# KiCad board TRS80_Model_I_Jap20_E1.kicad_pcb (continued)
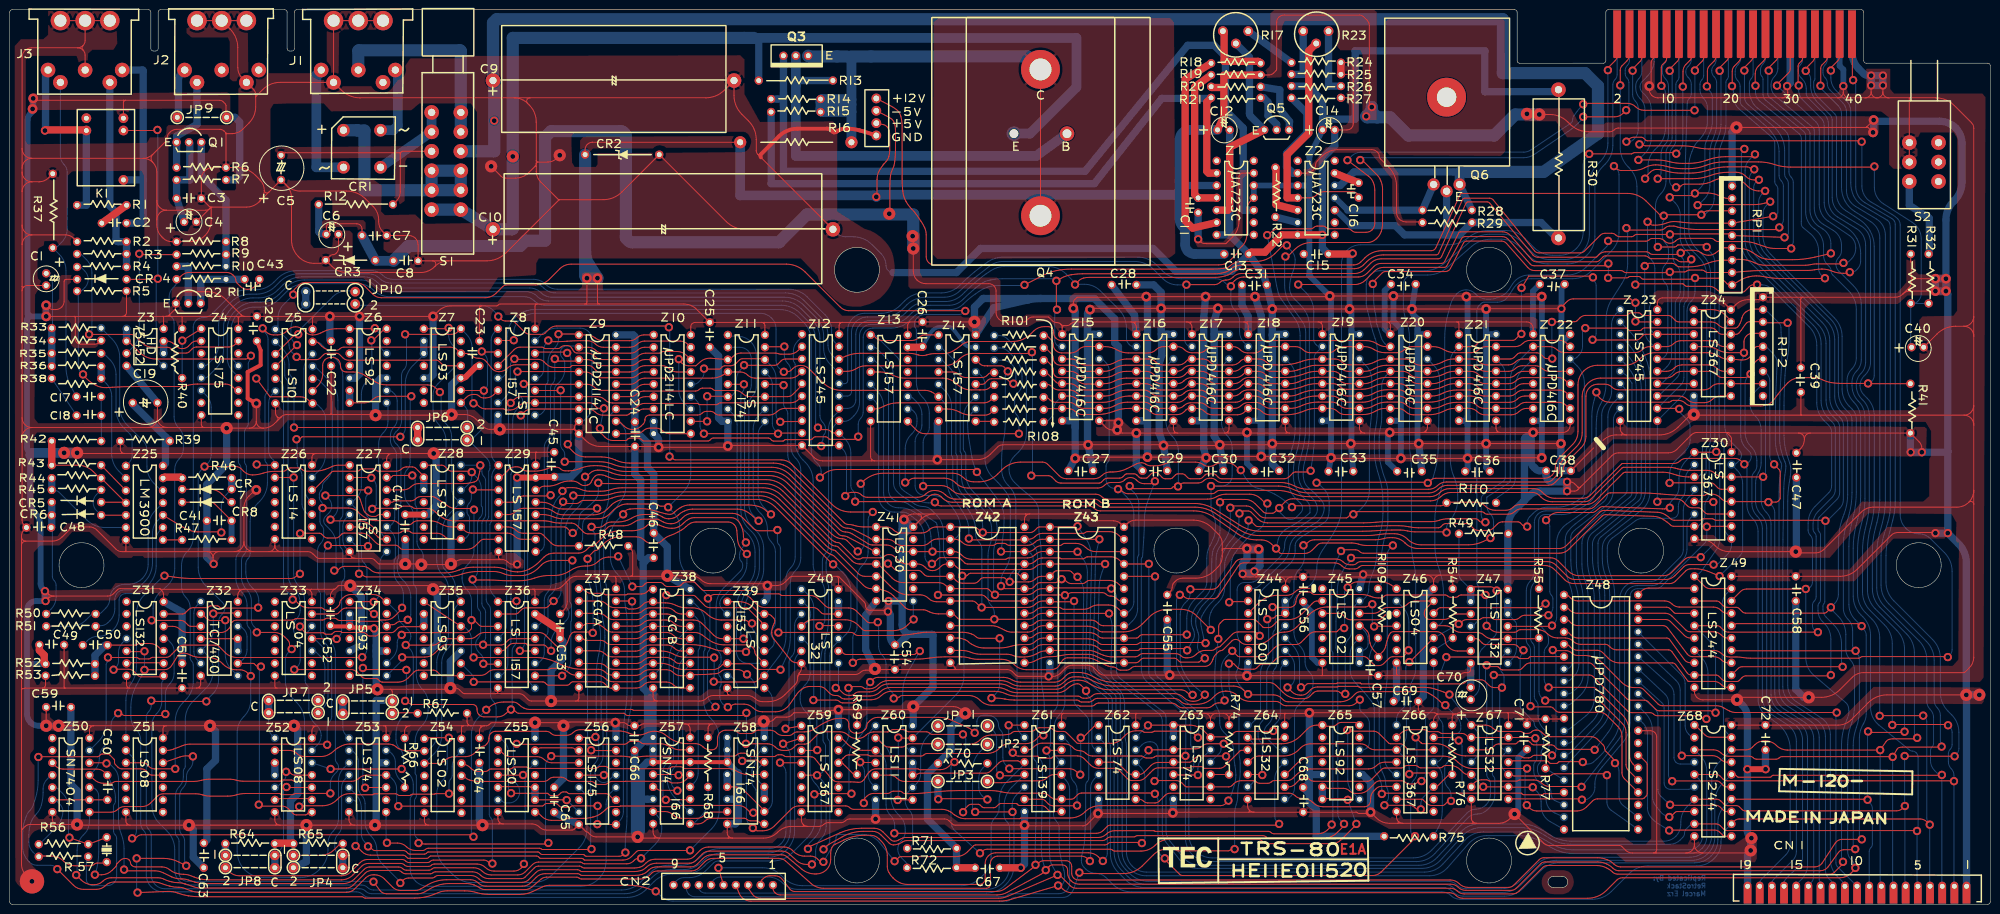
[diagram p0: board, top side]
## Routing (per net, layer and track width the routed paths; a pad name or vN(x,y) marks a point on that pad's centre or on a via; arc(x,y) is an arc through that point) (continued)
  Bottom w0.2: v2(65.23,32.81) 65.23,36.39 arc(65.35,37) 65.7,37.52 arc(66.04,38.04) 66.16,38.66 66.16,50.73 arc(65.87,52.22) 65.02,53.49 arc(64.18,54.75) 63.88,56.25 63.88,63.7 arc(63.8,64.12) 63.56,64.47 arc(63.33,64.82) 63.24,65.24 63.24,72.65 arc(63.41,73.48) 63.88,74.19 arc(64.35,74.89) 64.51,75.72 64.51,76.95 arc(64.41,77.45) 64.13,77.87 arc(63.85,78.29) 63.75,78.79 63.75,80.59 arc(63.82,80.94) 64.02,81.24 v2(64.29,81.5) 64.29,82.08 arc(64.2,82.51) 63.96,82.87 arc(63.71,83.24) 63.62,83.67 63.62,84.28 arc(63.71,84.69) 63.94,85.05 arc(64.18,85.4) 64.26,85.81 64.26,85.93 arc(64.37,86.46) 64.66,86.91 65.28,87.52 arc(66.03,88.65) 66.29,89.97 66.29,102.89 arc(65.9,104.88) 64.77,106.57 63.6,107.74 arc(63.21,108) 62.74,108.1 Z5.10
/Video/Video Access Multiplexer/C5: length 79.5
  Top w0.2: Z28.8 90.82,75.08 arc(90.01,75.24) 89.32,75.7 arc(88.63,76.16) 87.81,76.32 82.97,76.32 arc(82.65,76.38) 82.38,76.56 arc(82.12,76.74) 81.8,76.8 80.99,76.8 arc(80.69,76.74) 80.44,76.57 arc(80.19,76.41) 79.89,76.35 77.13,76.35 arc(76.03,76.56) 75.11,77.18 74.91,77.38 arc(74.23,77.97) 73.45,78.44 arc(72.62,78.75) 71.73,78.86 66.34,78.86 arc(66.18,78.89) 66.04,78.99 v2(65.91,79.11) ; Z29.3 95.3,85.24 arc(95.25,85.25) 95.21,85.27 v2(95.17,85.31)
  Bottom w0.2: Z5.11 62.48,110.64 arc(62.72,110.59) 62.92,110.46 65.84,107.53 arc(67.02,105.77) 67.44,103.68 67.44,81.72 arc(67.24,80.72) 66.67,79.88 v2(65.91,79.11) ; v2(95.17,85.31) 95.02,85.16 arc(94.91,84.99) 94.87,84.79 94.87,83.58 arc(94.75,83) 94.42,82.51 arc(94.09,82.01) 93.98,81.43 93.98,80.64 arc(94.04,80.31) 94.23,80.03 arc(94.42,79.75) 94.49,79.42 94.49,76.81 arc(94.35,76.15) 93.98,75.58 93.74,75.35 arc(93.44,75.15) 93.09,75.08 Z28.8
/Video/Video Access Multiplexer/R0: length 394.8
  Top w0.2: Z34.12 77.63,57.33 arc(77.82,57.46) 78.03,57.5 78.63,57.5 arc(79.06,57.59) 79.42,57.83 arc(79.79,58.07) 80.22,58.16 81.18,58.16 arc(81.41,58.21) 81.61,58.34 v2(81.79,58.52) ; Z7.14 92.13,117.81 arc(91.5,117.38) 90.74,117.23 81.27,117.23 arc(81.26,117.23) 81.26,117.24 v2(81.25,117.24) ; v2(95.3,103.04) 95.55,103.04 arc(95.79,102.99) 95.99,102.86 96.38,102.47 arc(97.01,102.05) 97.76,101.9 101.46,101.9 arc(101.61,101.87) 101.74,101.78 arc(101.86,101.7) 102.01,101.67 102.8,101.67 arc(103.68,101.84) 104.43,102.34 104.49,102.41 arc(105.31,102.95) 106.27,103.14 Z8.10 119.18,103.14 arc(119.64,103.05) 120.04,102.79 120.61,102.22 arc(120.85,102.06) 121.13,102 v2(122.1,102) ; v2(208.53,127.4) 212.41,129.39 arc(213.77,129.97) 215.2,130.36 arc(216.67,130.58) 218.15,130.65 247.39,130.65 arc(248.41,130.69) 249.42,130.81 249.9,130.89 arc(250.39,131.04) 250.81,131.35 arc(251.22,131.68) 251.7,131.91 251.9,131.98 arc(252.61,132.16) 253.35,132.23 256.11,132.23 arc(258.2,132.64) 259.96,133.82 261.4,135.26 arc(261.7,135.46) 262.05,135.53 v2(262.43,135.53) ; v2(174.37,96.18) 174.09,95.9 arc(173.78,95.7) 173.42,95.62 168.58,95.62 arc(168.46,95.65) 168.36,95.71 168.1,95.98 arc(167.9,96.11) 167.67,96.16 165.6,96.16 arc(165.37,96.11) 165.17,95.98 164.88,95.69 arc(164.76,95.6) 164.61,95.57 159.41,95.57 arc(159.29,95.55) 159.19,95.48 159.04,95.33 arc(158.97,95.29) 158.89,95.27 156.98,95.27 arc(156.78,95.31) 156.61,95.42 156.3,95.74 arc(156.11,95.86) 155.9,95.9 144.54,95.9 arc(144.34,95.86) 144.17,95.75 143.86,95.45 arc(143.69,95.33) 143.5,95.29 130.32,95.29 arc(130.14,95.33) 129.98,95.43 129.69,95.73 arc(129.52,95.84) 129.32,95.88 127.42,95.88 arc(127.22,95.84) 127.05,95.73 126.81,95.48 arc(126.71,95.42) 126.59,95.4 123.96,95.4 arc(123.08,95.57) 122.34,96.07 121.47,96.93 arc(121.33,97.14) 121.28,97.39 v2(121.28,97.89) ; v2(74.85,59.71) 74.72,59.71 arc(74.61,59.73) 74.51,59.8 73.51,60.8 arc(73.34,60.91) 73.14,60.95 69.21,60.95 arc(68.65,60.84) 68.17,60.52 67.55,59.9 arc(67.34,59.76) 67.09,59.71 Z33.13
  Bottom w0.2: v2(121.28,97.89) v2(122.1,102) ; Z7.14 93.85,117.24 arc(94.7,115.97) 94.99,114.48 94.99,103.56 arc(95.03,103.36) 95.15,103.19 v2(95.3,103.04) ; v2(81.25,117.24) 81.39,117.1 arc(81.5,116.95) 81.53,116.76 81.53,111.23 arc(81.4,110.56) 81.02,110 arc(80.65,109.44) 80.52,108.77 80.52,99.48 arc(80.3,98.41) 79.69,97.49 79.36,97.16 arc(78.99,96.61) 78.87,95.97 arc(78.99,95.32) 79.36,94.78 79.63,94.51 arc(80.19,93.66) 80.39,92.67 80.39,82.67 arc(80.32,82.34) 80.14,82.06 arc(79.95,81.78) 79.88,81.45 79.88,71.32 arc(79.85,71.15) 79.75,71.01 arc(79.66,70.87) 79.63,70.71 79.63,69.36 arc(79.91,67.95) 80.7,66.76 81.02,66.44 arc(82.06,64.89) 82.42,63.07 82.42,59.6 arc(82.34,59.18) 82.1,58.83 v2(81.79,58.52) ; v2(174.37,96.18) 174.37,98.74 arc(174.5,99.41) 174.88,99.97 arc(175.25,100.53) 175.38,101.19 175.38,116.56 arc(175.53,117.31) 175.96,117.94 arc(176.59,118.36) 177.34,118.51 181.13,118.51 arc(183.21,118.92) 184.98,120.1 185.6,120.73 arc(187.37,121.91) 189.45,122.32 193.2,122.32 arc(194.69,122.62) 195.96,123.46 arc(197.15,124.55) 198.43,125.53 199.15,126.03 arc(200.06,126.56) 201.04,126.96 arc(202.07,127.19) 203.12,127.27 208.32,127.27 arc(208.4,127.29) 208.47,127.34 v2(208.53,127.4) ; Z44.1 255.33,64.92 arc(256.09,65.07) 256.74,65.5 261.76,70.52 arc(262.63,71.77) 263.01,73.23 arc(263.44,74.66) 264.4,75.79 265.26,76.45 arc(266.47,77.32) 267.74,78.1 268.16,78.33 arc(268.95,78.92) 269.58,79.68 arc(269.99,80.58) 270.13,81.55 270.13,81.55 arc(269.94,82.49) 269.41,83.29 268.26,84.44 arc(267.64,85.03) 266.98,85.59 266.94,85.62 arc(266.41,86.19) 266.06,86.89 arc(265.87,87.66) 265.81,88.45 265.81,88.73 arc(265.87,89.8) 266.07,90.86 266.51,92.62 arc(266.94,94.91) 267.08,97.22 267.08,119.09 arc(266.95,120.26) 266.57,121.37 arc(265.98,122.39) 265.22,123.29 263.96,124.55 arc(263.26,125.6) 263.01,126.83 arc(263.12,128.14) 263.45,129.42 263.8,130.44 arc(264.07,131.48) 264.16,132.54 arc(263.96,133.54) 263.39,134.39 262.49,135.29 arc(262.45,135.36) 262.43,135.44 v2(262.43,135.53) ; Z34.12 74.95,59.68 arc(74.93,59.7) 74.89,59.71 v2(74.85,59.71)
/Video/Video Access Multiplexer/R1: length 147.5
  Top w0.2: 107.95,110.76 107.85,110.86 arc(107.73,110.94) 107.6,110.97 103.98,110.97 arc(103.05,110.78) 102.26,110.26 102.25,110.24 arc(101.47,109.73) 100.56,109.54 arc(99.67,109.75) 98.96,110.32 97.98,111.57 arc(97.31,112.12) 96.47,112.31 96.23,112.31 arc(95.58,112.44) 95.03,112.81 arc(94.48,113.17) 93.84,113.3 93.17,113.3 arc(92.74,113.39) 92.38,113.63 92.06,113.95 arc(91.34,114.43) 90.5,114.6 68.66,114.6 arc(68.23,114.51) 67.87,114.27 arc(67.5,114.02) 67.07,113.94 66.23,113.94 arc(65.07,114.17) 64.08,114.83 63.53,115.37 arc(63.16,115.63) 62.71,115.72 Z5.13 ; v2(90.19,118.56) 90.1,118.47 arc(90.01,118.41) 89.89,118.38 Z7.1 ; Z33.11 67.09,54.63 arc(67.13,54.62) 67.16,54.6 v2(67.18,54.58)
  Bottom w0.2: Z33.11 62.35,54.63 arc(62.59,54.58) 62.79,54.45 64.01,53.23 arc(65.04,51.68) 65.4,49.86 65.4,42.86 arc(65.14,41.53) 64.39,40.41 63.37,39.39 ; Z7.12 91.16,114.85 arc(90.45,115.92) 90.19,117.19 v2(90.19,118.56) ; v2(67.18,54.58) 67.69,55.09 arc(68.06,55.65) 68.2,56.31 68.2,65.86 arc(68.28,66.28) 68.51,66.63 arc(68.75,66.98) 68.83,67.4 68.83,68.58 arc(68.78,68.83) 68.64,69.04 arc(68.5,69.25) 68.45,69.5 68.45,72.47 arc(68.37,72.88) 68.13,73.23 arc(67.9,73.59) 67.82,74 67.82,78.69 arc(67.9,79.11) 68.13,79.46 arc(68.37,79.81) 68.45,80.22 68.45,108.51 arc(68.04,110.59) 66.86,112.36 63.95,115.27 arc(63.45,115.6) 62.86,115.72 Z5.13
/Video/Video Access Multiplexer/R2: length 176.1
  Top w0.2: 44.32,7.51 45.15,6.69 arc(46.06,6.08) 47.14,5.86 68.17,5.86 arc(69.2,6.07) 70.08,6.65 72,8.57 arc(72.71,9.05) 73.55,9.21 80.6,9.21 arc(81.02,9.13) 81.37,8.9 arc(81.72,8.66) 82.13,8.58 85.82,8.58 arc(86.15,8.64) 86.43,8.83 arc(86.72,9.02) 87.05,9.09 97.46,9.09 arc(97.93,8.99) 98.32,8.73 98.5,8.56 arc(98.7,8.42) 98.93,8.38 v2(99.19,8.38) ; v2(97,113.71) 97.05,113.66 arc(97.11,113.62) 97.17,113.61 99.81,113.61 arc(100.01,113.57) 100.18,113.46 Z8.3 ; v2(97.43,105.66) 97.42,105.67 arc(97.41,105.68) 97.39,105.68 Z7.9
  Bottom w0.2: v2(99.19,8.38) 99.19,16.97 arc(99.1,17.38) 98.87,17.74 arc(98.63,18.09) 98.55,18.5 98.55,34.72 arc(98.73,35.63) 99.25,36.4 arc(99.77,37.18) 99.95,38.09 99.95,40.36 arc(99.8,41.11) 99.38,41.74 arc(98.95,42.37) 98.8,43.12 98.8,60.6 arc(98.69,61.19) 98.36,61.68 arc(98.03,62.17) 97.92,62.75 97.92,78.53 arc(97.98,78.86) 98.17,79.14 arc(98.36,79.42) 98.42,79.75 98.42,88.99 arc(98.46,89.16) 98.55,89.3 arc(98.64,89.44) 98.68,89.61 98.68,90.25 arc(98.53,91.02) 98.09,91.66 94.28,95.48 arc(94.23,95.51) 94.17,95.52 94.49,95.52 arc(94.84,95.59) 95.14,95.79 97.12,97.78 arc(97.35,98.12) 97.43,98.53 v2(97.43,105.66) 97.8,106.03 arc(98.07,106.43) 98.17,106.92 98.17,111.71 arc(98.02,112.48) 97.58,113.13 v2(97,113.71)
/Video/Video Access Multiplexer/R3: length 14.6
  Top w0.2: Z8.6 99.5,104.85 arc(98.73,104.34) 97.83,104.16 97.35,104.16 arc(96.89,104.25) 96.49,104.51 arc(96.1,104.78) 95.63,104.87 95.29,104.87 arc(94.5,104.71) 93.83,104.27 Z7.8
  Bottom w0.2: Z7.8 92.77,103.14 arc(92.83,103.13) 92.88,103.1 93.47,102.51 arc(93.94,101.8) 94.11,100.97 94.11,98.06
/Video/Video Access Multiplexer/VA0: length 90.7
  Top w0.2: Z10.5 130.49,106.95 arc(129.68,106.79) 128.99,106.33 arc(128.3,105.87) 127.49,105.71 121.68,105.71 arc(120.87,105.87) 120.18,106.33 arc(119.49,106.79) 118.68,106.95 Z9.5 105.77,106.95 arc(105.72,106.96) 105.67,106.99 v2(105.64,107.03)
  Bottom w0.2: v2(105.64,107.03) 105.64,106.94 arc(105.65,106.86) 105.7,106.79 106.03,106.46 arc(106.32,106.02) 106.42,105.51 106.42,47.07 arc(106.62,46.08) 107.19,45.23 Z36.9
/Video/Video Access Multiplexer/VA1: length 79.8
  Top w0.2: Z10.6 130.63,104.41 arc(129.79,104.24) 129.07,103.77 arc(128.35,103.29) 127.5,103.12 123.88,103.12 arc(123.03,103.29) 122.31,103.77 arc(121.59,104.24) 120.75,104.41 Z9.6 105.16,104.41 arc(104.31,104.24) 103.59,103.77 v2(102.94,103.12)
  Bottom w0.2: v2(102.94,103.12) 102.94,102.85 arc(102.9,102.6) 102.76,102.4 102.72,102.36 arc(102.55,102.1) 102.49,101.8 102.49,89.44 arc(102.44,89.19) 102.3,88.98 arc(102.16,88.77) 102.11,88.52 102.11,57.66 arc(101.87,56.5) 101.22,55.52 100.33,54.63
/Video/Video Access Multiplexer/VA2: length 80.6
  Top w0.2: Z10.7 130.27,101.87 arc(129.76,101.77) 129.32,101.48 arc(128.89,101.19) 128.37,101.09 127.87,101.09 arc(127.56,101.02) 127.29,100.84 arc(127.02,100.67) 126.71,100.6 121.88,100.6 arc(121.05,100.77) 120.34,101.24 arc(119.64,101.71) 118.81,101.87 Z9.7 107.28,101.87 arc(106.42,101.7) 105.69,101.21 v2(105.03,100.55) ; Z36.12 104.91,52.09 arc(104.88,52.1) 104.85,52.11 v2(104.82,52.14)
  Bottom w0.2: v2(105.03,100.55) 105.05,100.55 arc(105.08,100.55) 105.1,100.53 105.43,100.2 arc(105.7,99.8) 105.79,99.34 105.79,53.79 arc(105.66,53.16) 105.31,52.62 v2(104.82,52.14)
/Video/Video Access Multiplexer/VA3: length 93.8
  Top w0.2: v2(104.34,109.57) 116.83,109.57 arc(116.88,109.56) 116.93,109.53 arc(116.97,109.5) 117.02,109.49 118.31,109.49 arc(119.09,109.34) 119.75,108.9 arc(120.41,108.45) 121.19,108.3 127.6,108.3 arc(128.38,108.45) 129.04,108.9 arc(129.7,109.34) 130.48,109.49 132.33,109.49
  Bottom w0.2: v2(104.34,109.57) 104.34,109.38 arc(104.31,109.2) 104.21,109.05 104.11,108.96 arc(103.94,108.71) 103.88,108.41 103.88,106.63 arc(104.08,105.64) 104.65,104.79 105.05,104.39 arc(105.31,103.99) 105.41,103.52 arc(105.31,103.05) 105.05,102.66 104.39,101.99 arc(103.63,100.86) 103.36,99.52 103.36,89.29 arc(103.31,89.05) 103.18,88.85 arc(103.04,88.65) 103,88.41 103,62.87 arc(102.99,62.86) 102.99,62.86 arc(102.99,62.85) 102.99,62.85 102.99,61.9 arc(102.99,61.9) 102.99,61.9 arc(102.99,61.89) 103,61.89 103,54.06 arc(102.91,53.65) 102.68,53.3 arc(102.44,52.94) 102.36,52.53 102.36,49.39 arc(102.18,48.48) 101.66,47.71 101.19,47.23 arc(100.94,47.07) 100.65,47.01 Z36.7
/Video/Video Access Multiplexer/VA4: length 62.6
  Top w0.2: Z10.3 130.52,112.03 arc(129.71,111.87) 129.02,111.41 arc(128.33,110.95) 127.51,110.79 121.71,110.79 arc(120.89,110.95) 120.2,111.41 arc(119.51,111.87) 118.7,112.03 117.18,112.03 arc(116.98,111.99) 116.81,111.88 arc(116.64,111.77) 116.44,111.73 112.79,111.73 arc(112.49,111.79) 112.24,111.96 v2(112.01,112.19)
  Bottom w0.2: v2(112.01,112.19) 112.01,108.22 arc(111.9,107.64) 111.57,107.14 arc(111.24,106.65) 111.12,106.07 111.12,97.06 arc(110.96,96.23) 110.49,95.52 arc(110.02,94.82) 109.85,93.99 109.85,74.05 arc(109.74,73.47) 109.41,72.98 109.28,72.85 arc(108.93,72.62) 108.52,72.54 Z29.9
/Video/Video Access Multiplexer/VA5: length 62.7
  Top w0.2: 132.33,114.57 130.5,114.57 arc(129.71,114.41) 129.03,113.96 arc(128.35,113.51) 127.56,113.35 121.87,113.35 arc(121.07,113.51) 120.39,113.96 arc(119.72,114.41) 118.92,114.57 116.97,114.57 ; Z29.4 103.36,82.7 arc(103.73,82.77) 104.04,82.98 104.68,83.62 arc(105.09,83.9) 105.57,83.99 110.89,83.99 arc(110.99,84.01) 111.07,84.07 v2(111.15,84.14)
  Bottom w0.2: 116.97,114.57 116.84,114.7 arc(116.7,114.79) 116.53,114.83 114.46,114.83 arc(113.96,114.73) 113.54,114.45 arc(113.25,114.02) 113.16,113.53 113.16,113.42 arc(113.27,112.84) 113.6,112.35 arc(113.93,111.86) 114.04,111.28 114.04,110 arc(113.76,108.59) 112.96,107.4 112.32,106.75 arc(112,106.27) 111.89,105.7 111.89,96.76 arc(111.7,95.85) 111.19,95.08 arc(110.67,94.3) 110.49,93.39 110.49,85.27 arc(110.57,84.84) 110.82,84.47 v2(111.15,84.14)
/Video/Video Access Multiplexer/VA6: length 39
  Top w0.2: v2(112.77,117.27) 112.79,117.28 arc(112.8,117.29) 112.82,117.29 116.66,117.29 arc(116.78,117.27) 116.88,117.2 arc(116.97,117.14) 117.09,117.11 118.57,117.11 arc(119.48,116.96) 120.28,116.52 arc(121.08,116.07) 121.99,115.92 127.42,115.92 arc(128.2,116.07) 128.86,116.52 arc(129.53,116.96) 130.31,117.11 Z10.1
  Bottom w0.2: v2(112.77,117.27) 112.77,116.24 arc(112.58,115.29) 112.05,114.48 111.69,114.13 arc(110.9,112.93) 110.61,111.52 110.61,107.69 arc(110.55,107.36) 110.36,107.08 arc(110.17,106.8) 110.11,106.47 110.11,102.55 arc(109.96,101.81) 109.54,101.17 109.32,100.96 arc(108.93,100.7) 108.46,100.6 Z8.9
/Video/Video Access Multiplexer/VA7: length 39.6
  Top w0.2: 139.95,114.57 139.32,115.21 arc(138.61,115.68) 137.78,115.84 130.49,115.84 arc(129.66,115.68) 128.95,115.21 arc(128.25,114.74) 127.42,114.57 121.98,114.57 arc(121.1,114.75) 120.36,115.25 arc(119.61,115.74) 118.73,115.92 117.29,115.92 arc(115.95,115.89) 114.62,115.82 114.46,115.81 arc(113.28,115.74) 112.1,115.72 111.1,115.72 arc(110.93,115.75) 110.79,115.84 v2(110.67,115.97)
  Bottom w0.2: Z8.12 108.33,108.22 arc(108.68,108.29) 108.98,108.49 109.22,108.73 arc(109.59,109.29) 109.73,109.96 109.73,114.16 arc(109.85,114.78) 110.2,115.3 110.59,115.69 arc(110.65,115.77) 110.67,115.87 v2(110.67,115.97)
/Video/Video Access Multiplexer/VA8: length 43.4
  Top w0.2: 100.33,110.76 103.65,114.08 arc(104.22,114.46) 104.89,114.6 109.38,114.6 arc(109.58,114.56) 109.75,114.45 arc(109.92,114.33) 110.12,114.29 112.56,114.29 arc(112.95,114.37) 113.27,114.59 arc(113.59,114.81) 113.97,114.9 114.53,114.92 arc(115.1,114.79) 115.5,114.38 115.67,114.08 arc(115.84,113.82) 116.04,113.6 arc(116.28,113.44) 116.56,113.38 118.63,113.38 arc(119.51,113.2) 120.25,112.71 arc(121,112.21) 121.88,112.03 127.49,112.03 arc(128.35,112.2) 129.08,112.69 arc(129.81,113.18) 130.68,113.35 133.48,113.35 arc(133.71,113.4) 133.91,113.53 arc(134.1,113.66) 134.34,113.71 137.09,113.71 arc(138.19,113.49) 139.11,112.87 Z10.16
/Video/Video Access Multiplexer/VA9: length 48.5
  Top w0.2: 139.95,109.49 137.13,109.49 arc(136.29,109.66) 135.57,110.14 arc(134.85,110.62) 134.01,110.79 130.56,110.79 arc(129.71,110.62) 128.99,110.14 arc(128.27,109.66) 127.43,109.49 121.21,109.49 arc(120.81,109.57) 120.47,109.8 119.81,110.46 arc(119.42,110.72) 118.95,110.81 115.67,110.81 arc(115.55,110.79) 115.45,110.72 115.25,110.52 arc(115.12,110.44) 114.97,110.41 112.04,110.41 arc(111.05,110.6) 110.21,111.16 109.81,111.56 arc(109.24,111.95) 108.56,112.08 103.88,112.08 arc(103.81,112.1) 103.76,112.13 v2(103.71,112.19)
  Bottom w0.2: Z8.7 100.52,103.14 arc(100.69,103.18) 100.84,103.28 101.79,104.22 arc(102.59,105.42) 102.87,106.83 102.87,110.75 arc(102.98,111.3) 103.29,111.77 v2(103.71,112.19)
/Video/Video Access Multiplexer/~{VRD}: length 115.9
  Top w0.2: v2(31.8,67.58) 33.87,67.29 arc(35.94,67.07) 38.03,67 57.71,67 arc(58.34,67.12) 58.88,67.48 59.26,67.87 arc(59.37,67.94) 59.5,67.96 v2(59.64,67.96) ; v2(59.66,76.27) 59.69,76.3 arc(59.72,76.31) 59.75,76.32 63.65,76.32 arc(63.89,76.27) 64.08,76.14 64.58,75.65 arc(64.93,75.41) 65.34,75.33 66.98,75.33 arc(67.38,75.41) 67.71,75.63 68.22,76.14 arc(68.45,76.29) 68.71,76.35 72.33,76.35 arc(73.2,76.17) 73.95,75.67 75.19,74.43 arc(75.83,74.01) 76.57,73.86 79.23,73.86 arc(79.6,73.78) 79.91,73.58 80.34,73.15 arc(80.51,73.03) 80.71,72.99 93.88,72.99 arc(94.86,73.19) 95.69,73.74 96.73,74.78 arc(97.06,75) 97.44,75.08 Z29.7
  Bottom w0.2: v2(59.64,67.96) 59.65,67.98 arc(59.66,67.99) 59.66,68.01 v2(59.66,76.27) ; v2(31.8,67.58) 31.71,67.58 arc(31.63,67.57) 31.56,67.52 27.63,63.59 arc(26.45,61.82) 26.03,59.74 26.03,48.93 arc(25.76,47.09) 24.95,45.42 arc(24.15,43.75) 23.87,41.91 Z51.1
/Video/Video Access Multiplexer/~{VWR}: length 302.4
  Top w0.2: v2(143.48,62.91) 143.89,63.32 arc(144.34,63.62) 144.87,63.72 150.53,63.72 arc(151.41,63.55) 152.16,63.05 153.5,61.7 arc(154.25,61.2) 155.13,61.03 165.1,61.03 arc(165.66,60.92) 166.14,60.6 166.8,59.94 arc(167.05,59.77) 167.35,59.71 Z40.12 ; 124.58,96.79 128.77,96.79 arc(129.53,96.94) 130.16,97.37 arc(130.8,97.79) 131.55,97.94 132.81,97.94 arc(133.56,97.79) 134.19,97.37 arc(134.83,96.94) 135.58,96.79 Z10.10 ; v2(97.92,40) 97.97,40 arc(98.01,40.01) 98.05,40.03 98.51,40.49 arc(99.03,40.92) 99.64,41.23 99.79,41.29 arc(100.6,41.52) 101.43,41.6 103.41,41.6 arc(104.06,41.47) 104.61,41.1 104.64,41.07 arc(105.14,40.66) 105.7,40.34 arc(106.31,40.14) 106.95,40.07 127.81,40.07 arc(127.93,40.05) 128.03,39.99 arc(128.13,39.92) 128.24,39.9 143.82,39.9 arc(144.28,39.99) 144.68,40.25 v2(145.03,40.61) ; v2(95.3,13.89) 95.1,14.09 arc(94.87,14.24) 94.61,14.29 27.09,14.29 arc(26.61,14.2) 26.2,13.93 26.07,13.8 arc(25.8,13.62) 25.49,13.56 v2(25.14,13.56) ; Z29.12 109.51,80.16 arc(110.59,80.05) 111.63,79.72 arc(112.67,79.4) 113.75,79.29 120.86,79.29 arc(121.52,79.36) 122.16,79.55 arc(122.74,79.86) 123.26,80.28 124.05,81.07 arc(124.39,81.37) 124.76,81.62 125.18,81.86 arc(126.02,82.22) 126.92,82.34 132.72,82.34 arc(133.02,82.28) 133.27,82.11 arc(133.53,81.94) 133.82,81.88 134.96,81.88 arc(135.09,81.86) 135.2,81.78 v2(135.3,81.68)
  Bottom w0.2: v2(25.14,13.56) 25.59,14 arc(25.92,14.49) 26.03,15.07 26.03,27.96 arc(25.75,29.37) 24.95,30.56 Z51.2 ; v2(97.92,40) 96.39,38.47 arc(95.26,36.79) 94.87,34.8 94.87,14.62 arc(94.92,14.34) 95.08,14.1 v2(95.3,13.89) ; Z10.10 139.95,88.58 arc(139.54,86.5) 138.36,84.73 v2(135.3,81.68) 136.48,80.5 arc(137.36,79.19) 137.67,77.65 137.67,71.61 arc(138.08,69.53) 139.26,67.77 143.26,63.77 arc(143.42,63.52) 143.48,63.23 v2(143.48,62.91) 143.69,62.71 arc(143.84,62.48) 143.89,62.22 143.89,52.7 arc(143.82,52.37) 143.63,52.09 arc(143.45,51.81) 143.38,51.48 143.38,43.3 arc(143.59,42.27) 144.17,41.4 144.93,40.64 arc(144.96,40.62) 144.99,40.61 v2(145.03,40.61)
  Bottom w1.5: 170.31,62.25 Z40.12
/Video/Video Counter/DOT_CLK: length 16.2
  Top w0.2: Z34.1 74.71,62.25 arc(74.75,62.24) 74.78,62.22 v2(74.8,62.2)
  Bottom w0.2: Z27.9 76.77,71.84 arc(76.25,71.06) 76.07,70.15 76.07,64.37 arc(75.91,63.54) 75.44,62.83 v2(74.8,62.2)
/Video/Video Counter/HDRV: length 288.8
  Top w0.2: v2(88.39,105.35) 87.65,106.09 arc(86.83,106.64) 85.86,106.83 77.39,106.83 arc(76.24,106.99) 75.17,107.44 arc(74.15,108.05) 73.14,108.69 73.01,108.77 arc(71.83,109.31) 70.54,109.49 69.14,109.49 arc(68.69,109.58) 68.31,109.84 arc(68.06,110.22) 67.97,110.66 67.97,110.86 arc(67.85,111.47) 67.5,111.99 arc(66.98,112.34) 66.36,112.46 65.92,112.46 arc(65.3,112.34) 64.78,111.99 arc(64.43,111.47) 64.31,110.86 64.31,109.11 arc(64.04,107.75) 63.27,106.6 Z5.9 ; 223.77,36.85 223.44,36.85 arc(223.14,36.79) 222.88,36.62 220.67,34.41 arc(220.5,34.3) 220.3,34.26 v2(220.09,34.26) ; Z54.3 88.14,28.97 arc(88.72,29.09) 89.22,29.42 89.22,29.42 arc(89.69,29.82) 90.23,30.11 arc(90.82,30.3) 91.43,30.36 93.61,30.36 arc(94.22,30.43) 94.8,30.63 arc(95.33,30.94) 95.8,31.33 96.77,32.3 arc(97,32.45) 97.27,32.51 arc(97.54,32.56) 97.77,32.71 98.02,32.96 arc(98.35,33.47) 98.47,34.07 98.47,34.19 arc(98.58,34.72) 98.88,35.17 arc(99.33,35.47) 99.86,35.58 110.23,35.58 arc(110.77,35.47) 111.24,35.16 arc(111.7,34.85) 112.25,34.74 114.39,34.74 arc(115.15,34.89) 115.8,35.32 arc(116.44,35.76) 117.21,35.91 121.92,35.91 arc(122.08,35.88) 122.22,35.78 arc(122.36,35.69) 122.53,35.66 125.08,35.66 arc(126.14,35.55) 127.15,35.24 127.26,35.19 arc(128.16,34.91) 129.09,34.82 129.19,34.82 arc(130.02,34.91) 130.81,35.2 arc(131.59,35.48) 132.42,35.58 132.65,35.58 arc(133.67,35.41) 134.6,34.94 135.44,34.31 arc(137.27,33.36) 139.29,33.04 140.91,33.04 arc(141.74,32.87) 142.44,32.4 142.47,32.37 arc(143.14,31.93) 143.93,31.77 144.31,31.77 arc(144.74,31.85) 145.11,32.1 arc(145.35,32.46) 145.44,32.9 145.44,34.07 arc(145.57,34.74) 145.95,35.3 arc(146.51,35.68) 147.17,35.81 148.64,35.81 arc(149.08,35.72) 149.46,35.46 arc(149.84,35.21) 150.29,35.12 152.22,35.12 arc(152.67,35.21) 153.05,35.46 arc(153.43,35.72) 153.87,35.81 156.25,35.81 arc(156.96,35.67) 157.57,35.26 arc(158.17,34.86) 158.89,34.72 160.08,34.72 arc(160.56,34.81) 160.97,35.08 arc(161.38,35.36) 161.86,35.45 163.28,35.45 arc(164.5,35.65) 165.59,36.21 arc(166.66,36.92) 167.79,37.51 168.35,37.76 arc(169.44,38.12) 170.58,38.25 171.27,38.25 arc(171.72,38.16) 172.1,37.9 arc(172.35,37.52) 172.44,37.08 172.44,36.6 arc(172.55,36.06) 172.86,35.59 arc(173.32,35.28) 173.87,35.17 174.21,35.17 arc(174.94,35.32) 175.56,35.73 175.83,36 arc(176.05,36.32) 176.12,36.7 arc(176.2,37.07) 176.41,37.39 176.8,37.78 arc(177.54,38.27) 178.42,38.45 190.91,38.45 arc(192.2,38.31) 193.43,37.91 196.92,36.35 arc(197.43,36.07) 197.88,35.69 v2(198.3,35.27) ; v2(205.41,27.91) 205.42,27.9 arc(205.43,27.89) 205.45,27.88 217.75,27.88 arc(218.55,27.72) 219.23,27.27 219.78,26.72 arc(219.84,26.68) 219.91,26.66 v2(219.99,26.66)
  Bottom w0.2: v2(198.3,35.27) 198.52,35.5 arc(198.69,35.76) 198.75,36.05 198.75,37.58 arc(198.85,38.08) 199.13,38.5 arc(199.56,38.78) 200.05,38.88 201.03,38.88 arc(201.86,38.72) 202.56,38.25 202.7,38.1 arc(203.07,37.56) 203.2,36.91 203.2,36.84 arc(203.31,36.26) 203.64,35.77 arc(203.97,35.28) 204.09,34.7 204.09,30.16 arc(204.26,29.3) 204.75,28.57 v2(205.41,27.91) ; v2(88.39,105.35) 88.52,105.23 arc(88.61,105.09) 88.64,104.92 88.64,101.37 arc(88.92,99.96) 89.72,98.76 arc(90.52,97.57) 90.8,96.16 90.8,85.51 arc(91.02,84.44) 91.63,83.52 92.36,82.79 arc(92.46,82.72) 92.58,82.7 arc(92.63,82.66) 92.62,82.61 90.49,80.48 arc(89.31,78.71) 88.9,76.63 88.9,70.14 arc(89.04,69.42) 89.45,68.81 90.53,67.73 arc(91.3,66.58) 91.56,65.23 91.56,64.58 arc(91.71,63.83) 92.14,63.2 92.57,62.76 arc(92.67,62.62) 92.71,62.44 arc(92.67,62.26) 92.57,62.11 91.95,61.49 arc(91.38,60.64) 91.18,59.65 91.18,55.45 arc(90.87,53.87) 89.98,52.53 arc(89.08,51.2) 88.77,49.62 88.77,34.78 arc(88.36,32.7) 87.18,30.94 Z54.3 ; v2(220.09,34.26) 220.09,26.84 arc(220.08,26.77) 220.04,26.71 v2(219.99,26.66)
/Video/Video Counter/L0: length 271.6
  Top w0.2: v2(250.44,21.33) 250.44,21.29 arc(250.43,21.26) 250.42,21.23 249.96,20.77 arc(249.42,20.41) 248.79,20.29 224.04,20.29 arc(222.38,19.96) 220.98,19.02 arc(219.57,18.08) 217.91,17.75 207.83,17.75 arc(207.73,17.73) 207.64,17.67 arc(207.56,17.62) 207.46,17.6 196.36,17.6 arc(195.48,17.72) 194.68,18.07 194.13,18.4 arc(193.91,18.55) 193.71,18.73 arc(193.51,18.9) 193.28,19.04 192.9,19.22 arc(192.26,19.45) 191.58,19.53 173.47,19.53 arc(173.01,19.62) 172.62,19.88 arc(172.22,20.14) 171.76,20.24 162.2,20.24 arc(161.33,20.07) 160.6,19.58 157.14,16.11 arc(156.02,15.37) 154.71,15.11 153.7,15.11 arc(153.32,15.18) 152.99,15.4 v2(152.7,15.69) ; Z35.1 Z35.12 ; v2(151.51,47.29) 151.41,47.29 arc(151.31,47.31) 151.23,47.36 150.81,47.78 arc(150.26,48.15) 149.61,48.28 147.09,48.28 arc(146.57,48.18) 146.14,47.89 arc(145.7,47.58) 145.19,47.44 144.09,47.35 arc(142.74,47.27) 141.4,47.24 140.22,47.24 arc(140.07,47.21) 139.94,47.12 arc(139.81,47.04) 139.66,47.01 137.91,47.01 arc(137.1,47.17) 136.41,47.63 arc(135.72,48.09) 134.91,48.25 131.46,48.25 arc(130.69,48.1) 130.05,47.67 arc(129.4,47.24) 128.64,47.09 124.67,47.09 arc(124.64,47.09) 124.61,47.11 arc(124.58,47.13) 124.55,47.14 123.78,47.14 arc(123.05,47.28) 122.42,47.7 122.39,47.73 arc(121.73,48.17) 120.95,48.33 117.76,48.33 arc(115.5,48.58) 113.34,49.3 112.28,49.79 arc(110.13,50.52) 107.87,50.77 v2(95.32,50.77) ; Z45.2 268.65,62.38 arc(268.23,62.29) 267.88,62.06 265.54,59.72 arc(264.23,58.85) 262.7,58.54 260.92,58.54 arc(260.81,58.52) 260.72,58.46 259.56,57.3 arc(259.14,57.01) 258.64,56.91 257.81,56.91 arc(257.64,56.95) 257.5,57.04 256.41,58.13 arc(255.9,58.47) 255.31,58.59 249.81,58.59 arc(249.53,58.54) 249.29,58.38 248.75,57.84 arc(248.52,57.49) 248.44,57.08 248.44,54.71 arc(248.43,54.66) 248.4,54.62 v2(248.36,54.58)
  Bottom w0.2: v2(250.44,21.33) 250.7,21.79 arc(250.92,22.25) 251.1,22.74 251.67,24.57 arc(251.89,25.56) 251.97,26.56 251.97,26.61 arc(251.92,27.57) 251.78,28.53 arc(251.62,29.49) 251.55,30.45 251.52,31.45 arc(251.11,33.27) 250.07,34.81 249.43,35.45 arc(248.86,36.3) 248.66,37.29 248.66,37.73 arc(248.65,38.37) 248.6,39.01 arc(248.48,39.62) 248.23,40.2 248.09,40.47 arc(247.76,41.32) 247.65,42.23 247.65,46.83 arc(247.72,49.16) 247.95,51.49 v2(248.36,54.58) ; v2(151.51,47.29) 152.4,46.4 arc(153.06,45.41) 153.29,44.25 153.29,32.74 arc(153.15,32.08) 152.78,31.51 arc(152.4,30.95) 152.27,30.29 152.27,29.48 arc(152.16,28.9) 151.83,28.4 arc(151.5,27.91) 151.38,27.33 151.38,17.95 arc(151.55,17.08) 152.04,16.35 v2(152.7,15.69) ; v2(95.32,50.77) 95.1,51 arc(94.93,51.25) 94.87,51.55 94.87,54.57 arc(94.67,55.56) 94.11,56.41 93.57,56.94 arc(93.32,57.11) 93.03,57.17 Z35.12
